# Altium PCB HV_DAC_8ch-DIOT.PCBDOC (part 10 of 11) (continued)
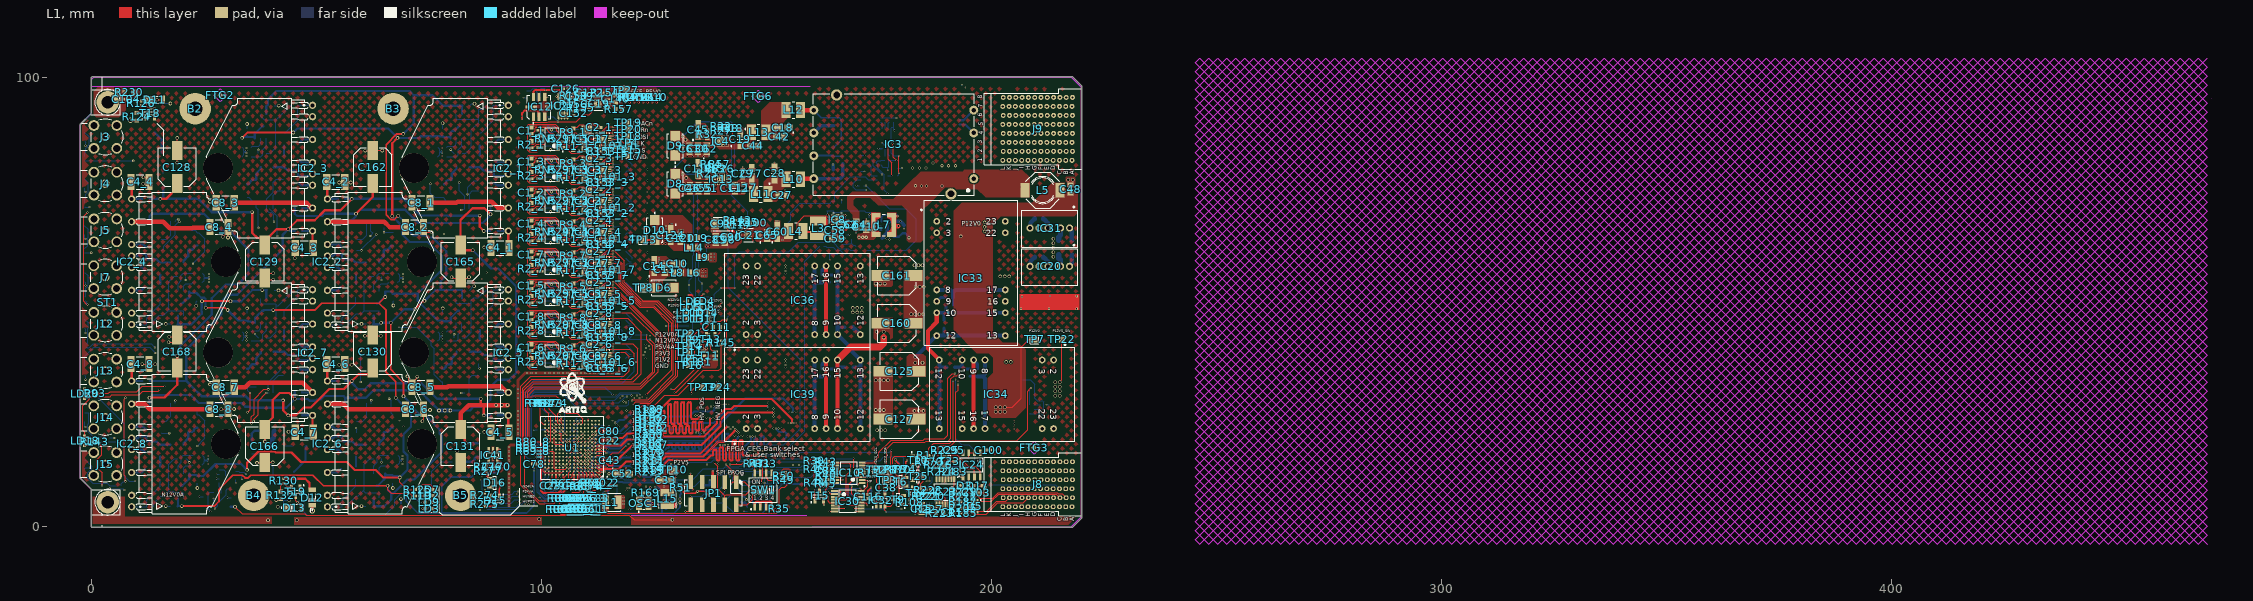
[diagram p0: L1 view]
## Nets (pads, with @x,y where several pads share a name; then routed paths per layer and width w, separated by ;. In a path a pad name is that pad's centre, name@x,y a point inside that pad or via, vN(x,y) a via of type N, cw(c..) or ccw(c..) an arc to the next point about the centre after c; other vN are vias at no path point) (continued)
  other v1: 192.8,8.4
P3V3_INIT: C115.2 R181.1 T11.1 T11.2 T11.5 T11.6 U1.N13 | length 52
  L1 w0.2: v1(129.5,29.9) 129.9,29.9 v4(136,36) ; R181.1@134.7,37.17 134.77,37.1 T11.6@136.025,37.1
  L1 w0.381: v1(102.794,21.59) 102.797,21.586 102.808,21.586 103.195,21.2 U1.N13@103.2,21.2
  L6 w0.2: v1@105.2,26.9 117,26.9 119.6,24.3 129.1,24.3 129.5,24.7 v1(129.5,29.9)
  L8 w0.2: C115.2@101.65,23.4 101.65,22.734 v1(102.794,21.59) 103.61,21.59 104.1,21.1 104.8,21.1 105.2,21.5 v1(105.2,26.8)
P3V3_LX: C102.2 IC22.2 L7.1 | length 6.4
  L1 w0.508: L7.1@178.331,67.159 178.331,68.826 178.552,69.047 179.028,69.047 v1(179.134,69.153)
  L1 w1: L7.1@178.356,66.908 v4(179.349,66.908)
  L8 w0.508: C102.2@177.556,69.366 178.922,69.366 v1(179.134,69.153) ; IC22.2@178.256,66.966 178.277,66.945 179.312,66.945 v4(179.349,66.908)
P3V3_MP: C38.2 C47.2 C88.2 C105.2 C116.2 D1.4 D7.1 IC7.8 IC10.12 IC15.8 IC17.14 IC25.14 IC30.12 IC30.15 IC32.4 R13.2 R15.2 R31.1 R39.1 R43.1 R46.1 R47.1 R86.1 R93.2 R160.1 R175.2 R177.2 TP3.1 | length 461.1
  L1 w0.127: R93.2@1.27,29.7 3.7,29.7 4.1,30.1 10,30.1 11.184,31.284 v1(16.2,31.284) ; v1(159.944,13.859) 160.018,13.859 160.168,14.01 160.429,14.01 R39.1@160.655,14.237 R46.1@160.655,13.297 ; v1(162.179,10.483) 162.794,10.483 R15.2@162.852,10.541 ; v1(162.388,14.121) 162.44,14.173 162.516,14.173 162.852,14.509 R43.1@162.852,14.529 ; C88.2@163.797,12.548 164.257,12.548 164.265,12.54 165.227,12.54 IC10.12@165.389,12.379 165.51,12.5 v1(166.5,12.5) ; IC30.12@171.047,5.415 172.085,5.415 172.4,5.1 v1(172.4,4.7) ; IC30.15@171.047,7.365 172.441,7.365 C116.2@172.593,7.214 ; R13.2@172.733,12.536 172.771,12.573 v1(173.355,12.573) ; v1(176.327,6.375) 176.327,7.244 IC32.4@176.335,7.252 176.213,7.374 C38.2@176.213,8.7 176.213,9.869 TP3.1@176.746,10.402 ; v1(178.052,85.301) 178.052,84.589 178.232,84.409 178.232,82.202 v1(178.918,81.516)
  L1 w0.381: v1(146.5,14.5) 146.505,14.5 146.572,14.567 R47.1@147.295,14.567 148.59,14.567 R31.1@148.615,14.592 ; C116.2@172.593,7.214 172.593,8.093 v1(173.25,8.75)
  L3 w0.127: v1(177,79.3) 177,75.6 179,73.6 181.4,73.6 185.7,69.3 185.7,64.3 191.6,58.4 191.6,40.4 191.3,40.1 191.3,33.6 v1(192.1,32.8) ; v1(178.41,88.12) 178.41,88.577 180.732,90.9 192.4,90.9 193.497,91.997 v1(193.497,98.298)
  L6 w0.1: v1(16.2,31.284) 15.7,31.784 15.7,70.3 16.9,71.5 16.9,74.3 16.4,74.8 16.4,97.9 17.4,98.9 101,98.9 101.173,99.073 131.927,99.073 132.1,98.9 192.895,98.9 v1(193.497,98.298)
  L5 w0.2: v1(136.5,45.3) 136.5,43 134.6,41.1 134.6,26.7 133,25.1 133,19.2 136,16.2 151.9,16.2 154.3,13.8 v1(155.9,13.8)
  L8 w0.127: R86.1@175.361,80.488 175.381,80.488 175.906,79.963 D1.4@176.936,79.963 177,79.899 v1(177,79.3) ; D1.4@177.011,79.888 177.217,80.093 177.217,81.438 R177.2@177.335,81.556 R175.2@178.31,81.556 178.877,81.556 v1(178.918,81.516) ; v1(178.052,85.301) 177.71,85.642 IC7.8@177.71,88.494 177.71,88.673 177.872,88.835 178.31,88.835 ; C47.2@178.31,90.004 178.31,88.835 ; v1(178.41,88.12) 178.41,88.194 178.31,88.293 178.31,88.835 ; C105.2@187.05,12.8 187.8,12.8 188.5,13.5 195.4,13.5 196.3,14.4 196.3,17 195,18.3 193.4,18.3 192.1,19.6 v1(192.1,32.8) ; v1@193.37,98.196 193.472,98.298 v1(193.497,98.298)
  L8 w0.2: R160.1@135.83,46.3 135.8,46.27 135.8,45.717 135.917,45.6 136.2,45.6 v1(136.5,45.3)
  L8 w0.381: v4(146.431,6.655) 146.492,6.594 146.492,6.155 147.015,5.632 IC17.14@147.015,5.563 ; IC17.14@146.961,5.436 146.996,5.401 IC17.14@146.996,5.152 ; v1(173.25,8.75) 173.25,8.013 173.359,7.904 IC15.8@173.471,7.904
  other v1: 190.7,8 191.3,8 191.9,8
P5V4_DAC_VDD_1: C12_1.1 C142_1.2 IC37_1.15 L16_1.2 | length 8.7
  L1 w0.203: IC37_1.15@111.906,85.915 IC37_1.15@112.089,85.915
  L1 w0.254: v1(110.565,86.296) 110.58,86.281 111.146,86.281 111.486,85.941 IC37_1.15@112.013,85.941
  L8 w0.127: L16_1.2@109.651,84.417 109.549,84.518 109.549,84.931 109.862,85.245 109.862,85.987 110.127,86.252 110.127,86.424 110.392,86.689 110.985,86.689 C12_1.1@111.022,86.652
  L8 w0.254: v1(110.565,86.296) 110.537,86.268 110.537,85.811 110.311,85.585 110.311,84.823 C142_1.2@110.667,84.467 110.85,84.65 110.85,85.158 111.008,85.317 111.008,85.698 C12_1.1@111.149,85.839
P5V4_DAC_VDD_2: C12_2.1 C142_2.2 IC37_2.15 L16_2.2 | length 8.7
  L1 w0.203: IC37_2.15@111.906,72.142 IC37_2.15@112.089,72.142
  L1 w0.254: v1(110.565,72.523) 110.58,72.508 111.146,72.508 111.486,72.167 IC37_2.15@112.013,72.167
  L8 w0.127: L16_2.2@109.651,70.643 109.549,70.745 109.549,71.158 109.862,71.472 109.862,72.214 110.127,72.478 110.127,72.651 110.392,72.916 110.985,72.916 C12_2.1@111.022,72.879
  L8 w0.254: v1(110.565,72.523) 110.537,72.495 110.537,72.038 110.311,71.812 110.311,71.05 C142_2.2@110.667,70.694 110.85,70.877 110.85,71.385 111.008,71.544 111.008,71.925 C12_2.1@111.149,72.066
P5V4_DAC_VDD_3: C12_3.1 C142_3.2 IC37_3.15 L16_3.2 | length 8.7
  L1 w0.203: IC37_3.15@111.906,79.029 IC37_3.15@112.089,79.029
  L1 w0.254: v1(110.565,79.41) 110.58,79.394 111.146,79.394 111.486,79.054 IC37_3.15@112.013,79.054
  L8 w0.127: L16_3.2@109.651,77.53 109.549,77.632 109.549,78.045 109.862,78.358 109.862,79.1 110.127,79.365 110.127,79.537 110.392,79.802 110.985,79.802 C12_3.1@111.022,79.765
  L8 w0.254: v1(110.565,79.41) 110.537,79.382 110.537,78.924 110.311,78.698 110.311,77.936 C142_3.2@110.667,77.581 110.85,77.764 110.85,78.272 111.008,78.43 111.008,78.811 C12_3.1@111.149,78.952
P5V4_DAC_VDD_4: C12_4.1 C142_4.2 IC37_4.15 L16_4.2 | length 8.7
  L1 w0.203: IC37_4.15@111.906,65.255 IC37_4.15@112.089,65.255
  L1 w0.254: v1(110.565,65.636) 110.58,65.621 111.146,65.621 111.486,65.281 IC37_4.15@112.013,65.281
  L8 w0.127: L16_4.2@109.651,63.757 109.549,63.858 109.549,64.271 109.862,64.585 109.862,65.327 110.127,65.592 110.127,65.764 110.392,66.029 110.985,66.029 C12_4.1@111.022,65.992
  L8 w0.254: v1(110.565,65.636) 110.537,65.608 110.537,65.151 110.311,64.925 110.311,64.163 C142_4.2@110.667,63.808 110.85,63.991 110.85,64.499 111.008,64.657 111.008,65.038 C12_4.1@111.149,65.179
P5V4_DAC_VDD_5: C12_5.1 C142_5.2 IC37_5.15 L16_5.2 | length 8.7
  L1 w0.203: IC37_5.15@111.906,51.482 IC37_5.15@112.089,51.482
  L1 w0.254: v1(110.565,51.863) 110.58,51.848 111.146,51.848 111.486,51.508 IC37_5.15@112.013,51.508
  L8 w0.127: L16_5.2@109.651,49.984 109.549,50.085 109.549,50.498 109.862,50.812 109.862,51.554 110.127,51.819 110.127,51.991 110.392,52.256 110.985,52.256 C12_5.1@111.022,52.219
  L8 w0.254: v1(110.565,51.863) 110.537,51.835 110.537,51.378 110.311,51.152 110.311,50.39 C142_5.2@110.667,50.034 110.85,50.217 110.85,50.725 111.008,50.884 111.008,51.265 C12_5.1@111.149,51.406
P5V4_DAC_VDD_6: C12_6.1 C142_6.2 IC37_6.15 L16_6.2 | length 8.7
  L1 w0.203: IC37_6.15@111.906,37.709 IC37_6.15@112.089,37.709
  L1 w0.254: v1(110.565,38.09) 110.58,38.075 111.146,38.075 111.486,37.734 IC37_6.15@112.013,37.734
  L8 w0.127: L16_6.2@109.651,36.21 109.549,36.312 109.549,36.725 109.862,37.039 109.862,37.781 110.127,38.045 110.127,38.218 110.392,38.483 110.985,38.483 C12_6.1@111.022,38.446
  L8 w0.254: v1(110.565,38.09) 110.537,38.062 110.537,37.605 110.311,37.379 110.311,36.617 C142_6.2@110.667,36.261 110.85,36.444 110.85,36.952 111.008,37.111 111.008,37.492 C12_6.1@111.149,37.633
P5V4_DAC_VDD_7: C12_7.1 C142_7.2 IC37_7.15 L16_7.2 | length 8.7
  L1 w0.203: IC37_7.15@111.906,58.369 IC37_7.15@112.089,58.369
  L1 w0.254: v1(110.565,58.75) 110.58,58.735 111.146,58.735 111.486,58.394 IC37_7.15@112.013,58.394
  L8 w0.127: L16_7.2@109.651,56.87 109.549,56.972 109.549,57.385 109.862,57.698 109.862,58.44 110.127,58.705 110.127,58.878 110.392,59.143 110.985,59.143 C12_7.1@111.022,59.105
  L8 w0.254: v1(110.565,58.75) 110.537,58.722 110.537,58.265 110.311,58.039 110.311,57.277 C142_7.2@110.667,56.921 110.85,57.104 110.85,57.612 111.008,57.771 111.008,58.152 C12_7.1@111.149,58.293
P5V4_DAC_VDD_8: C12_8.1 C142_8.2 IC37_8.15 L16_8.2 | length 8.7
  L1 w0.203: IC37_8.15@111.906,44.596 IC37_8.15@112.089,44.596
  L1 w0.254: v1(110.565,44.977) 110.58,44.961 111.146,44.961 111.486,44.621 IC37_8.15@112.013,44.621
  L8 w0.127: L16_8.2@109.651,43.097 109.549,43.199 109.549,43.612 109.862,43.925 109.862,44.667 110.127,44.932 110.127,45.104 110.392,45.369 110.985,45.369 C12_8.1@111.022,45.332
  L8 w0.254: v1(110.565,44.977) 110.537,44.949 110.537,44.491 110.311,44.265 110.311,43.503 C142_8.2@110.667,43.148 110.85,43.331 110.85,43.839 111.008,43.997 111.008,44.378 C12_8.1@111.149,44.519
P5V4_DAC_VLOGIC_1: C99_1.1 C143_1.2 IC37_1.14 R164_1.2 | length 8.1
  L1 w0.127: IC37_1.14@111.93,86.423 IC37_1.14@112.089,86.423 ; IC37_1.14@112.089,86.449 IC37_1.14@112.165,86.449
  L1 w0.254: v1(110.997,87.109) 111.679,86.427 112.187,86.427 IC37_1.14@112.191,86.423
  L8 w0.127: R164_1.2@109.27,89.179 109.358,89.268 110.947,89.268 111.346,88.869 111.621,88.869 111.795,88.695 C99_1.1@111.995,88.495 ; C143_1.2@110.311,88.695 110.844,88.161 110.844,87.642 110.987,87.499 110.987,87.144 v1@111.017,87.114 ; v1@110.997,87.102 111.004,87.102 v1@111.017,87.114 ; v1@111.022,87.109 v1@111.017,87.114
  L8 w0.254: C143_1.2@110.489,88.785 110.489,88.7 110.494,88.695 C99_1.1@111.795,88.695
P5V4_DAC_VLOGIC_2: C99_2.1 C143_2.2 IC37_2.14 R164_2.2 | length 8.1
  L1 w0.127: IC37_2.14@111.93,72.65 IC37_2.14@112.089,72.65 ; IC37_2.14@112.089,72.675 IC37_2.14@112.165,72.675
  L1 w0.254: v1(110.997,73.336) 111.679,72.653 112.187,72.653 IC37_2.14@112.191,72.65
  L8 w0.127: R164_2.2@109.27,75.406 109.358,75.495 110.947,75.495 111.346,75.096 111.621,75.096 111.795,74.922 C99_2.1@111.995,74.722 ; C143_2.2@110.311,74.922 110.844,74.388 110.844,73.869 110.987,73.726 110.987,73.371 v1@111.017,73.341 ; v1@110.997,73.329 111.004,73.329 v1@111.017,73.341 ; v1@111.022,73.336 v1@111.017,73.341
  L8 w0.254: C143_2.2@110.489,75.012 110.489,74.927 110.494,74.922 C99_2.1@111.795,74.922
P5V4_DAC_VLOGIC_3: C99_3.1 C143_3.2 IC37_3.14 R164_3.2 | length 8.1
  L1 w0.127: IC37_3.14@111.93,79.537 IC37_3.14@112.089,79.537 ; IC37_3.14@112.089,79.562 IC37_3.14@112.165,79.562
  L1 w0.254: v1(110.997,80.222) 111.679,79.54 112.187,79.54 IC37_3.14@112.191,79.537
  L8 w0.127: R164_3.2@109.27,82.293 109.358,82.381 110.947,82.381 111.346,81.982 111.621,81.982 111.795,81.808 C99_3.1@111.995,81.609 ; C143_3.2@110.311,81.808 110.844,81.275 110.844,80.756 110.987,80.613 110.987,80.257 v1@111.017,80.228 ; v1@110.997,80.215 111.004,80.215 v1@111.017,80.228 ; v1@111.022,80.222 v1@111.017,80.228
  L8 w0.254: C143_3.2@110.489,81.899 110.489,81.813 110.494,81.808 C99_3.1@111.795,81.808
P5V4_DAC_VLOGIC_4: C99_4.1 C143_4.2 IC37_4.14 R164_4.2 | length 8.1
  L1 w0.127: IC37_4.14@111.93,65.763 IC37_4.14@112.089,65.763 ; IC37_4.14@112.089,65.789 IC37_4.14@112.165,65.789
  L1 w0.254: v1(110.997,66.449) 111.679,65.767 112.187,65.767 IC37_4.14@112.191,65.763
  L8 w0.127: R164_4.2@109.27,68.519 109.358,68.608 110.947,68.608 111.346,68.209 111.621,68.209 111.795,68.035 C99_4.1@111.995,67.836 ; C143_4.2@110.311,68.035 110.844,67.502 110.844,66.983 110.987,66.84 110.987,66.484 v1@111.017,66.455 ; v1@110.997,66.442 111.004,66.442 v1@111.017,66.455 ; v1@111.022,66.449 v1@111.017,66.455
  L8 w0.254: C143_4.2@110.489,68.126 110.489,68.04 110.494,68.035 C99_4.1@111.795,68.035
P5V4_DAC_VLOGIC_5: C99_5.1 C143_5.2 IC37_5.14 R164_5.2 | length 8.1
  L1 w0.127: IC37_5.14@111.93,51.99 IC37_5.14@112.089,51.99 ; IC37_5.14@112.089,52.016 IC37_5.14@112.165,52.016
  L1 w0.254: v1(110.997,52.676) 111.679,51.994 112.187,51.994 IC37_5.14@112.191,51.99
  L8 w0.127: R164_5.2@109.27,54.746 109.358,54.835 110.947,54.835 111.346,54.436 111.621,54.436 111.795,54.262 C99_5.1@111.995,54.063 ; C143_5.2@110.311,54.262 110.844,53.728 110.844,53.209 110.987,53.066 110.987,52.711 v1@111.017,52.681 ; v1@110.997,52.669 111.004,52.669 v1@111.017,52.681 ; v1@111.022,52.676 v1@111.017,52.681
  L8 w0.254: C143_5.2@110.489,54.352 110.489,54.267 110.494,54.262 C99_5.1@111.795,54.262
P5V4_DAC_VLOGIC_6: C99_6.1 C143_6.2 IC37_6.14 R164_6.2 | length 8.1
  L1 w0.127: IC37_6.14@111.93,38.217 IC37_6.14@112.089,38.217 ; IC37_6.14@112.089,38.242 IC37_6.14@112.165,38.242
  L1 w0.254: v1(110.997,38.903) 111.679,38.22 112.187,38.22 IC37_6.14@112.191,38.217
  L8 w0.127: R164_6.2@109.27,40.973 109.358,41.062 110.947,41.062 111.346,40.663 111.621,40.663 111.795,40.489 C99_6.1@111.995,40.289 ; C143_6.2@110.311,40.489 110.844,39.955 110.844,39.436 110.987,39.293 110.987,38.938 v1@111.017,38.908 ; v1@110.997,38.896 111.004,38.896 v1@111.017,38.908 ; v1@111.022,38.903 v1@111.017,38.908
  L8 w0.254: C143_6.2@110.489,40.579 110.489,40.494 110.494,40.489 C99_6.1@111.795,40.489
P5V4_DAC_VLOGIC_7: C99_7.1 C143_7.2 IC37_7.14 R164_7.2 | length 8.1
  L1 w0.127: IC37_7.14@111.93,58.877 IC37_7.14@112.089,58.877 ; IC37_7.14@112.089,58.902 IC37_7.14@112.165,58.902
  L1 w0.254: v1(110.997,59.563) 111.679,58.88 112.187,58.88 IC37_7.14@112.191,58.877
  L8 w0.127: R164_7.2@109.27,61.633 109.358,61.722 110.947,61.722 111.346,61.323 111.621,61.323 111.795,61.148 C99_7.1@111.995,60.949 ; C143_7.2@110.311,61.148 110.844,60.615 110.844,60.096 110.987,59.953 110.987,59.597 v1@111.017,59.568 ; v1@110.997,59.555 111.004,59.555 v1@111.017,59.568 ; v1@111.022,59.563 v1@111.017,59.568
  L8 w0.254: C143_7.2@110.489,61.239 110.489,61.154 110.494,61.148 C99_7.1@111.795,61.148
P5V4_DAC_VLOGIC_8: C99_8.1 C143_8.2 IC37_8.14 R164_8.2 | length 8.1
  L1 w0.127: IC37_8.14@111.93,45.104 IC37_8.14@112.089,45.104 ; IC37_8.14@112.089,45.129 IC37_8.14@112.165,45.129
  L1 w0.254: v1(110.997,45.789) 111.679,45.107 112.187,45.107 IC37_8.14@112.191,45.104
  L8 w0.127: R164_8.2@109.27,47.86 109.358,47.948 110.947,47.948 111.346,47.55 111.621,47.55 111.795,47.375 C99_8.1@111.995,47.176 ; C143_8.2@110.311,47.375 110.844,46.842 110.844,46.323 110.987,46.18 110.987,45.824 v1@111.017,45.795 ; v1@110.997,45.782 111.004,45.782 v1@111.017,45.795 ; v1@111.022,45.789 v1@111.017,45.795
  L8 w0.254: C143_8.2@110.489,47.466 110.489,47.38 110.494,47.375 C99_8.1@111.795,47.375
P5V4A: C83.2 C90.2 C96.2 C122.2 C139.1 C149.2 C152.2 IC11.2 IC12.2 IC19.1 IC19.2 IC19.6 IC21.9 IC21.10 IC27.8 L16_1.1 L16_2.1 L16_3.1 L16_4.1 L16_5.1 L16_6.1 L16_7.1 L16_8.1 R29.1 R135.1 R164_1.1 R164_2.1 R164_3.1 R164_4.1 R164_5.1 R164_6.1 R164_7.1 R164_8.1 TP14.1 | length 83.8
  L1 w0.1: v1(131.7,40.2) TP14.1@132.8,40.2
  L1 w0.2: v1(113.7,93.1) IC19.6@114.7,93.1 ; R135.1@145.1,68.17 v1(145.1,68.72)
  L1 w0.254: IC27.8@105.775,91.525 107.175,91.525 C152.2@107.2,91.55 v1(107.71,91.55)
  L1 w0.45: v1(95.7,90.7) v1(95.7,91.3) 95.7,92 96.3,92.6 99,92.6 99.324,92.276 99.324,91.328 IC12.2@99.449,91.203
  L5 w0.1: v1(131.7,40.2) 133.5,42 133.5,51.1 135.7,53.3 v1(135.7,54.1)
  L8 w0.2: R29.1@135.83,48.9 135.83,48.92 135.64,49.11 135.62,49.11 135.1,49.63 135.1,52 135.7,52.6 v1(135.7,54.1) 135,54.8 135,59.4 136.7,61.1 v1(136.7,62.4) ; v1(137.3,63.6) 139.98,63.6 v1(145.1,68.72)
  L8 w0.254: L16_6.1@108.807,36.21 108.807,36.22 109.1,36.514 109.1,36.725 109.545,37.17 v3@109.545,38.019 ; L16_8.1@108.807,43.097 108.807,43.107 109.1,43.4 109.1,43.612 109.545,44.057 v3@109.545,44.906 ; L16_5.1@108.807,49.984 108.807,49.994 109.1,50.287 109.1,50.498 109.545,50.943 v3@109.545,51.793 ; L16_7.1@108.807,56.87 108.807,56.88 109.1,57.173 109.1,57.385 109.545,57.83 v3@109.545,58.679 ; L16_4.1@108.807,63.757 108.807,63.767 109.1,64.06 109.1,64.271 109.545,64.716 v3@109.545,65.566 ; L16_2.1@108.807,70.643 108.807,70.653 109.1,70.947 109.1,71.158 109.545,71.603 v3@109.545,72.452 ; L16_3.1@108.807,77.53 108.807,77.54 109.1,77.833 109.1,78.045 109.545,78.49 v3@109.545,79.339 ; L16_1.1@108.807,84.417 108.807,84.427 109.1,84.72 109.1,84.931 109.545,85.376 v3@109.545,86.226 ; R164_6.1@109.302,40.02 109.676,39.647 v3(109.676,38.217) ; R164_5.1@109.302,53.794 109.676,53.42 v3(109.676,51.99) ; R164_7.1@109.302,60.68 109.676,60.306 v3(109.676,58.877) ; R164_4.1@109.302,67.567 109.676,67.193 v3(109.676,65.763) ; R164_2.1@109.302,74.453 109.676,74.08 v3(109.676,72.65) ; R164_3.1@109.302,81.34 109.676,80.966 v3(109.676,79.537) ; R164_1.1@109.302,88.227 109.676,87.853 v3(109.676,86.423) ; R164_8.1@109.529,46.68 109.676,46.533 v3(109.676,45.104)
  other v1: 137.3,62.4 136.7,63 137.3,63 136.7,63.6 109.7,95.7 110.3,95.7
P6V0: C58.2 C59.2 IC8.8 IC8.10 L3.2 L4.1 R24.2 | length 25
  L1 w0.15: L4.1@158.14,65.795 156.915,65.795 156.827,65.883 156.827,67.576 158.46,69.209 163.317,69.209 164.163,68.363 164.707,68.363 IC8.8@164.738,68.332 ; IC8.10@164.463,67.257 164.538,67.332 IC8.10@164.738,67.332 164.738,66.08 C58.2@164.807,66.011
  L1 w0.508: L4.1@158.14,65.795 158.14,65.595 158.498,65.595 158.54,65.553 L3.2@160.717,65.553 ; C59.2@164.413,64.082 C59.2@164.413,64.257 ; C58.2@164.688,65.807 164.688,64.532 C59.2@164.413,64.257 ; L3.2@160.717,65.553 L3.2@161.463,64.807 ; L3.2@160.717,65.553 L3.2@161.463,64.807 ; L3.2@161.463,64.807 161.664,65.008 v1(163.678,65.008) 163.975,64.71 163.975,64.695 C59.2@164.413,64.257
  L8 w0.508: v1(163.678,65.008) 163.703,64.982 R24.2@164.938,64.982
P6V0_LX: IC8.9 L3.1 | length 3.3
  L1 w0.254: L3.1@161.463,68.007 161.638,67.832 IC8.9@164.738,67.832
P6V0A: C60.1 C65.2 D4.1 IC21.1 IC21.2 IC21.3 L4.2 R56.2 R68.2 | length 30.8
  L8 w0.127: v1(153.6,63.8) 153.6,66.37 155.4,68.17 155.4,69.9 157.438,71.938 R56.2@163.411,71.938 164.138,71.938 164.563,72.363 D4.1@165.136,72.363 165.136,74.338 168.661,77.863 171.936,77.863 172.661,77.138 174.606,77.138 R68.2@174.611,77.143
P12V0: C48.2 C108.2 C156.1 D12.1 IC28.1 IC28.3 J8.A1 J8.D1 J8.E1 J8.G1 J8.H1 J8.J1 J8.K1 L5.1 R20.2 R124.2 R201.1 R274.1 T21.1 T21.2 T21.3 TP7.1 | length 88.8
  L1 w0.254: R274.1@87.4,7.47 v1(87.4,8.2) ; v2(203,26.6) 204.6,26.6 206.6,28.6 206.6,39.9 208.4,41.7 TP7.1@209.6,41.7
  L1 w0.508: v8(8.617,90.4) R124.2@10,90.4 ; v8(49,3.6) 49,4.765 D12.1@49.017,4.782
  L6 w0.254: v1(137.8,51.2) 137.8,53.9 141.3,57.4 141.3,58.7 143.7,61.1 171.8,61.1 173.3,62.6 191.2,62.6 v2(193.2,64.6)
  L8 w0.254: R20.2@135.83,50.2 135.842,50.212 135.842,50.742 136.3,51.2 v1(137.8,51.2)
  other v2: 201,25.6 202,25.6 203,25.6 201,26.6 202,26.6
P12V0_CH_1: C98_1.1 C154_1.2 D21_1.2 IC5_1.8 L2_1.2 | length 13.4
  L1 w0.127: IC5_1.8@108.936,88.123 IC5_1.8@108.988,88.072
  L1 w0.254: IC5_1.8@109.041,88.125 109.101,88.065 109.101,87.481 v1(109.117,87.465)
  L8 w0.254: D21_1.2@99.442,87.769 99.471,87.741 101.234,87.741 101.276,87.699 102.459,87.699 102.748,87.988 103.866,87.988 C98_1.1@104.13,88.252 ; L2_1.2@102.364,89.09 102.382,89.072 103.007,89.072 103.328,88.75 103.632,88.75 C98_1.1@104.12,88.262 ; C98_1.1@104.139,88.262 104.395,88.262 104.903,87.754 104.903,87.531 105.061,87.373 107.735,87.373 107.755,87.393 108.182,87.393 C154_1.2@108.355,87.566 108.419,87.502 109.04,87.502 109.078,87.465 v1(109.117,87.465)
P12V0_CH_2: C98_2.1 C154_2.2 D21_2.2 IC5_2.8 L2_2.2 | length 13.4
  L1 w0.127: IC5_2.8@108.936,74.35 IC5_2.8@108.988,74.299
  L1 w0.254: IC5_2.8@109.041,74.352 109.101,74.292 109.101,73.708 v1(109.117,73.691)
  L8 w0.254: D21_2.2@99.442,73.996 99.471,73.968 101.234,73.968 101.276,73.926 102.459,73.926 102.748,74.215 103.866,74.215 C98_2.1@104.13,74.479 ; L2_2.2@102.364,75.317 102.382,75.298 103.007,75.298 103.328,74.977 103.632,74.977 C98_2.1@104.12,74.488 ; C98_2.1@104.139,74.488 104.395,74.488 104.903,73.981 104.903,73.758 105.061,73.6 107.735,73.6 107.755,73.62 108.182,73.62 C154_2.2@108.355,73.793 108.419,73.729 109.04,73.729 109.078,73.691 v1(109.117,73.691)
P12V0_CH_3: C98_3.1 C154_3.2 D21_3.2 IC5_3.8 L2_3.2 | length 13.4
  L1 w0.127: IC5_3.8@108.936,81.237 IC5_3.8@108.988,81.185
  L1 w0.254: IC5_3.8@109.041,81.238 109.101,81.179 109.101,80.594 v1(109.117,80.578)
  L8 w0.254: D21_3.2@99.442,80.882 99.471,80.854 101.234,80.854 101.276,80.812 102.459,80.812 102.748,81.102 103.866,81.102 C98_3.1@104.13,81.365 ; L2_3.2@102.364,82.204 102.382,82.185 103.007,82.185 103.328,81.863 103.632,81.863 C98_3.1@104.12,81.375 ; C98_3.1@104.139,81.375 104.395,81.375 104.903,80.867 104.903,80.645 105.061,80.486 107.735,80.486 107.755,80.506 108.182,80.506 C154_3.2@108.355,80.68 108.419,80.616 109.04,80.616 109.078,80.578 v1(109.117,80.578)
P12V0_CH_4: C98_4.1 C154_4.2 D21_4.2 IC5_4.8 L2_4.2 | length 13.4
  L1 w0.127: IC5_4.8@108.936,67.464 IC5_4.8@108.988,67.412
  L1 w0.254: IC5_4.8@109.041,67.465 109.101,67.406 109.101,66.821 v1(109.117,66.805)
  L8 w0.254: D21_4.2@99.442,67.109 99.471,67.081 101.234,67.081 101.276,67.039 102.459,67.039 102.748,67.328 103.866,67.328 C98_4.1@104.13,67.592 ; L2_4.2@102.364,68.43 102.382,68.412 103.007,68.412 103.328,68.09 103.632,68.09 C98_4.1@104.12,67.602 ; C98_4.1@104.139,67.602 104.395,67.602 104.903,67.094 104.903,66.872 105.061,66.713 107.735,66.713 107.755,66.733 108.182,66.733 C154_4.2@108.355,66.906 108.419,66.842 109.04,66.842 109.078,66.805 v1(109.117,66.805)
P12V0_CH_5: C98_5.1 C154_5.2 D21_5.2 IC5_5.8 L2_5.2 | length 13.4
  L1 w0.127: IC5_5.8@108.936,53.69 IC5_5.8@108.988,53.639
  L1 w0.254: IC5_5.8@109.041,53.692 109.101,53.632 109.101,53.048 v1(109.117,53.032)
  L8 w0.254: D21_5.2@99.442,53.336 99.471,53.308 101.234,53.308 101.276,53.266 102.459,53.266 102.748,53.555 103.866,53.555 C98_5.1@104.13,53.819 ; L2_5.2@102.364,54.657 102.382,54.639 103.007,54.639 103.328,54.317 103.632,54.317 C98_5.1@104.12,53.829 ; C98_5.1@104.139,53.829 104.395,53.829 104.903,53.321 104.903,53.098 105.061,52.94 107.735,52.94 107.755,52.96 108.182,52.96 C154_5.2@108.355,53.133 108.419,53.069 109.04,53.069 109.078,53.032 v1(109.117,53.032)
P12V0_CH_6: C98_6.1 C154_6.2 D21_6.2 IC5_6.8 L2_6.2 | length 13.4
  L1 w0.127: IC5_6.8@108.936,39.917 IC5_6.8@108.988,39.866
  L1 w0.254: IC5_6.8@109.041,39.919 109.101,39.859 109.101,39.275 v1(109.117,39.258)
  L8 w0.254: D21_6.2@99.442,39.563 99.471,39.535 101.234,39.535 101.276,39.493 102.459,39.493 102.748,39.782 103.866,39.782 C98_6.1@104.13,40.046 ; L2_6.2@102.364,40.884 102.382,40.865 103.007,40.865 103.328,40.544 103.632,40.544 C98_6.1@104.12,40.055 ; C98_6.1@104.139,40.055 104.395,40.055 104.903,39.548 104.903,39.325 105.061,39.167 107.735,39.167 107.755,39.187 108.182,39.187 C154_6.2@108.355,39.36 108.419,39.296 109.04,39.296 109.078,39.258 v1(109.117,39.258)
P12V0_CH_7: C98_7.1 C154_7.2 D21_7.2 IC5_7.8 L2_7.2 | length 13.4
  L1 w0.127: IC5_7.8@108.936,60.577 IC5_7.8@108.988,60.525
  L1 w0.254: IC5_7.8@109.041,60.579 109.101,60.519 109.101,59.935 v1(109.117,59.918)
  L8 w0.254: D21_7.2@99.442,60.223 99.471,60.194 101.234,60.194 101.276,60.152 102.459,60.152 102.748,60.442 103.866,60.442 C98_7.1@104.13,60.706 ; L2_7.2@102.364,61.544 102.382,61.525 103.007,61.525 103.328,61.204 103.632,61.204 C98_7.1@104.12,60.715 ; C98_7.1@104.139,60.715 104.395,60.715 104.903,60.208 104.903,59.985 105.061,59.827 107.735,59.827 107.755,59.846 108.182,59.846 C154_7.2@108.355,60.02 108.419,59.956 109.04,59.956 109.078,59.918 v1(109.117,59.918)
P12V0_CH_8: C98_8.1 C154_8.2 D21_8.2 IC5_8.8 L2_8.2 | length 13.4
  L1 w0.127: IC5_8.8@108.936,46.804 IC5_8.8@108.988,46.752
  L1 w0.254: IC5_8.8@109.041,46.805 109.101,46.746 109.101,46.162 v1(109.117,46.145)
  L8 w0.254: D21_8.2@99.442,46.45 99.471,46.421 101.234,46.421 101.276,46.379 102.459,46.379 102.748,46.669 103.866,46.669 C98_8.1@104.13,46.932 ; L2_8.2@102.364,47.771 102.382,47.752 103.007,47.752 103.328,47.43 103.632,47.43 C98_8.1@104.12,46.942 ; C98_8.1@104.139,46.942 104.395,46.942 104.903,46.434 104.903,46.212 105.061,46.053 107.735,46.053 107.755,46.073 108.182,46.073 C154_8.2@108.355,46.247 108.419,46.183 109.04,46.183 109.078,46.145 v1(109.117,46.145)
P12V0_SW: C41.2 C84.2 C134.1 C135.2 C137.2 C150.1 C151.2 C157.2 IC20.2 IC31.2 IC33.22 IC33.23 IC34.22 IC34.23 IC36.22 IC36.23 IC39.22 IC39.23 T21.5 T21.6 T21.7 T21.8 TP22.1 | length 114.4
  L1 w0.2: v2(215.2,32.2) 215.7,32.7 TP22.1@215.7,41.7
  L6 w2: IC39.23@145.48,37.12 IC39.22@148.02,37.12 149.92,37.12 162.4,49.6 ; IC36.23@145.48,58.02 IC36.22@148.02,58.02 149.98,58.02 155,53 159,53 162.4,49.6 ; v2(213.8,62.1) 195.1,62.1 193.7,60.7 176.9,60.7 165.8,49.6 162.4,49.6
  L8 w1.15: C84.2@215,60.5 215,59.725 215.314,59.411 215.314,58.036 IC20.2@215.4,57.95 ; C41.2@215,63.7 215,64.475 215.4,64.875 IC31.2@215.4,66.45
  other v2: 214.2,29.2 215.2,29.2 214.2,30.2 215.2,30.2 214.2,31.2 215.2,31.2 214.2,32.2 213.8,60.1 213.8,61.1 213.8,63.1 213.8,64.1
P12V0A: C46.2 C51.2 C155.2 D8.1 IC13.9 IC13.10 L2_1.1 L2_2.1 L2_3.1 L2_4.1 L2_5.1 L2_6.1 L2_7.1 L2_8.1 R21.2 R64.1 R70.2 R108.2 TP21.1 | length 172.4
  L1 w0.1: v1(131.7,43) TP21.1@132.8,43
  L1 w0.2: R64.1@137.23,80.6 v1(137.23,81.15) ; R108.2@181.877,6.008 v1(181.877,6.558)
  L1 w0.381: v7(178.7,15) 178.761,14.939 178.761,14.675 179.763,13.673 179.763,13.269 179.863,13.17 R70.2@179.883,13.17
  L5 w0.381: v2(131.7,76.2) 131.7,68.6 129.5,66.4 129.5,65.1 130.1,64.5 130.1,45.8 131.7,44.2 v1(131.7,43) 130.7,42 130.7,19.9 135.4,15.2 147.6,15.2 148.4,14.4 152.2,14.4 153.5,13.1 158,13.1 159.65,14.75 169.607,14.75 169.857,15 v7(178.7,15)
  L8 w0.254: v2(132.2,77.6) 134.7,75.1 134.7,60.1 134.3,59.7 134.3,49.63 133.753,49.083 133.733,49.083 133.57,48.92 R21.2@133.57,48.9
  L8 w0.381: v2(131.4,78.4) 134.48,78.4 v1(137.23,81.15) ; v7(178.7,15) 179.5,14.2 179.5,9.6 181.877,7.223 v1(181.877,6.558)
  L8 w0.508: L2_6.1@101.497,40.884 101.497,40.351 101.714,40.133 102.172,40.133 v4(102.208,40.097) ; L2_8.1@101.497,47.771 101.497,47.237 101.714,47.02 102.172,47.02 v4(102.208,46.983) ; L2_5.1@101.497,54.657 101.497,54.124 101.714,53.907 102.172,53.907 v4(102.208,53.87) ; L2_7.1@101.497,61.544 101.497,61.01 101.714,60.793 102.172,60.793 v4(102.208,60.756) ; L2_4.1@101.497,68.43 101.497,67.897 101.714,67.68 102.172,67.68 v4(102.208,67.643) ; L2_2.1@101.497,75.317 101.497,74.784 101.714,74.566 102.172,74.566 v4(102.208,74.53) ; L2_3.1@101.497,82.204 101.497,81.67 101.714,81.453 102.172,81.453 v4(102.208,81.416) ; L2_1.1@101.497,89.09 101.497,88.557 101.714,88.339 102.172,88.339 v4(102.208,88.303)
  other v2: 129.7,76.2

## Text inside footprints (layer, text, board x,y; h text height)
J9: Top Overlay "7" at 198.044,93.205 h1 r90; Top Overlay "8" at 197.989,95.15 h1 r90; Top Overlay "6" at 197.989,91.15 h1 r90; Top Overlay "5" at 198.183,89.15 h1 r90; Top Overlay "4" at 198.182,87.15 h1 r90; Top Overlay "3" at 197.989,85.15 h1 r90; Top Overlay "2" at 197.989,83.15 h1 r90; Top Overlay "1" at 197.989,81.15 h1 r90; Top Overlay "L" at 203.039,79.3 h1 r90; Top Overlay "K" at 204.439,79.3 h1 r90; Top Overlay "J" at 205.839,79.3 h1 r90; Top Overlay "I" at 207.239,79.6 h1 r90; Top Overlay "H" at 208.639,79.3 h1 r90; Top Overlay "G" at 210.039,79.3 h1 r90; Top Overlay "F" at 211.439,79.3 h1 r90; Top Overlay "E" at 212.839,79.3 h1 r90; Top Overlay "D" at 214.239,79.3 h1 r90; Top Overlay "C" at 215.639,78.3 h1 r90; Top Overlay "B" at 217.039,78.3 h1 r90; Top Overlay "A" at 218.439,78.3 h1 r90; DrillDrawing "Diam. 0.5mm +/-0.05" at 218.689,99.5 h1 r180; DrillDrawing "PRESS-FIT TECHNOLOGY" at 218.689,98 h1 r180; Mechanical14 "7" at 197.989,93.15 h1 r90; Mechanical14 "8" at 197.989,95.15 h1 r90; Mechanical14 "6" at 197.989,91.15 h1 r90; Mechanical14 "5" at 197.989,89.15 h1 r90; Mechanical14 "4" at 197.989,87.15 h1 r90; Mechanical14 "3" at 197.989,85.15 h1 r90; Mechanical14 "2" at 197.989,83.15 h1 r90; Mechanical14 "1" at 197.989,81.15 h1 r90; Mechanical14 "L" at 203.039,79.3 h1 r90; Mechanical14 "K" at 204.439,79.3 h1 r90; Mechanical14 "J" at 205.839,79.3 h1 r90; Mechanical14 "I" at 207.239,79.55 h1 r90; Mechanical14 "H" at 208.639,79.3 h1 r90; Mechanical14 "G" at 210.039,79.3 h1 r90; Mechanical14 "F" at 211.439,79.3 h1 r90; Mechanical14 "E" at 212.839,79.3 h1 r90; Mechanical14 "D" at 214.239,79.3 h1 r90; Mechanical14 "C" at 215.639,78.3 h1 r90; Mechanical14 "B" at 217.039,78.3 h1 r90; Mechanical14 "A" at 218.439,78.3 h1 r90; Mechanical8 "Edge of Daugher Card" at 220.789,85.275 h0.5 r90; Mechanical8 "Top Surface of Mother Board" at 232.289,84.125 h0.5 r90
SW1: Top Overlay "1" at 147.117,5.954 h1; Top Overlay "2" at 148.387,5.954 h1; Top Overlay "ON" at 146.736,9.51 h1; Top Overlay "3" at 149.657,5.954 h1; Top Overlay "4" at 150.927,5.954 h1; Mechanical14 "1" at 147.117,5.964 h1; Mechanical14 "2" at 148.387,5.964 h1; Mechanical14 "ON" at 146.736,9.52 h1; Mechanical14 "3" at 149.657,5.964 h1; Mechanical14 "4" at 150.927,5.964 h1